# KiCad board mainboard.kicad_pcb (continued)
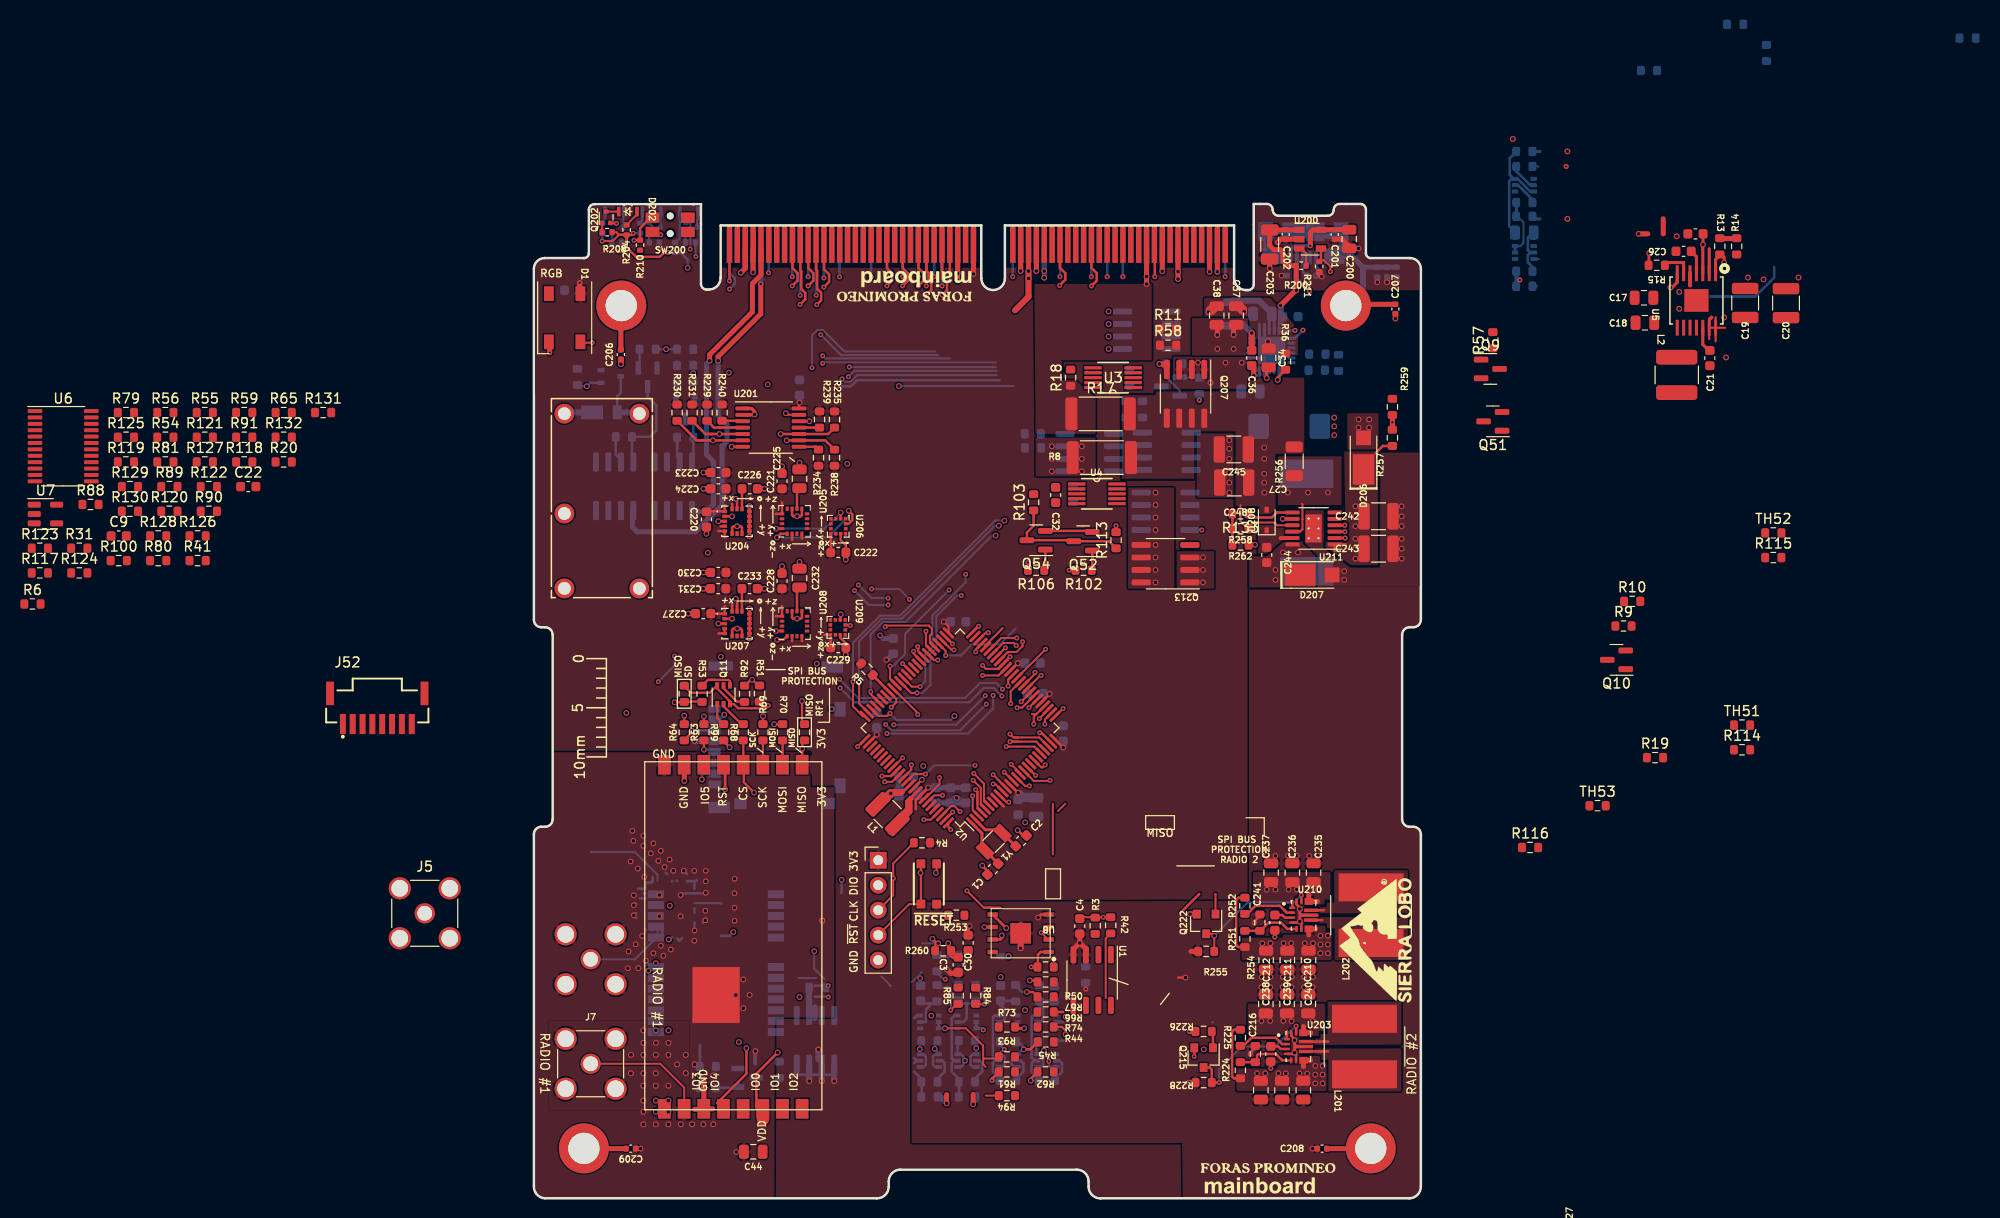
[diagram p0: board, top side]
## Routing (per net, layer and track width the routed paths; a pad name or vN(x,y) marks a point on that pad's centre or on a via; arc(x,y) is an arc through that point) (continued)
5V_USB: length 95.3
  Top w0.203: 7.8,98.27 R208.2 8.4,98.27 8.65,98.02 8.02,97.38 6.96,97.38 ; R204.1 9.92,97.99 10.1,98.17
  Top w0.235: v3(6.94,97.36) 6.96,97.38
  Top w0.254: R204.1 9.9,97.99 ; R204.1 9.42,96.74 10.39,95.77 12.8,95.77 13.25,96.22 v3(13.64,96.22) ; R204.1 9.4,98.02 8.65,98.02 ; R208.2 7.96,98.27 ; 9.42,96.96 9.42,97.18
  Top w0.272: 9.42,97.18 R204.1
  Top w0.508: 77.49,94.87 R200.1 ; R200.1 77.49,92.42 ; R200.1 76.6,94.87 76.16,95.31 76.16,96.21 75.85,96.51 75.21,96.51 74.8,96.92 C203.1 ; C203.1 74.81,98.51 U200.1 ; C203.1 74.8,97.6 ; 77.49,92.42 v1(77.49,92.37) 77.45,92.37 v1(75.9,90.82) 77.49,92.41 77.49,92.42 ; P1.70 v1(50.28,94.31)
  Top w0.61: v1(50.28,94.31) v1(50.28,93.57) 50.28,91.71 48.91,90.34
  In2.Cu w0.203: 30.84,84.47 30.79,84.42 30.79,82.61 v3(30.81,82.59)
  In2.Cu w0.254: 24.91,86.23 29.58,86.23 30.81,85 v3(30.81,82.59) ; 24.91,86.23 21.46,86.23 15.64,92.05 v1(15.64,94.65) ; 24.91,86.23 22.77,86.23
  Bottom w0.203: 13.92,96.22 14.37,96.22 R205.1 ; 13.92,96.22 13.72,96.22 ; 13.92,96.22 v3(13.64,96.22) ; R203.1 v3(10.1,98.17) 10.1,98.17
  Bottom w0.254: 6.96,97.38 R202.1 ; v1(15.64,94.65) 15.64,95.48 14.9,96.21 R205.1 ; 119.58,91.73 124.16,91.73 126.09,93.66 126.09,94.74 ; 47.32,83.22 32.84,83.22 32.2,82.59 v3(30.81,82.59)
  Bottom w0.279: 75.95,89.29 75.76,89.1 U17.23
  Bottom w0.61: 75.95,89.22 75.95,90.79
/Power/3V3_EN: length 2.7
  Top w0.279: 115.71,92.65 v1(115.55,92.65)
  Top w0.305: 115.71,92.65 116.24,93.18 U5.7
  Bottom w0.272: Q2.6 102.1,95.55 ; 101.91,92.77 101.48,92.77
GND: length 147.6
  Top w0.203: v3(12.89,98.02) 12.34,98.02 SW200.2 ; 39.21,42.33 U2.90 38.61,41.75 v1(39.45,42.58) ; v3(50.33,49.93) 51.2,50.8 U2.31 ; U2.76 33.64,46.68 v3(32.91,45.95) ; U2.62 38.25,53.63 v3(37.48,54.39) ; U2.11 47.99,41.73 ; U2.11 48.03,41.75 v3(46.69,43.09) ; U2.11 47.12,42.65 ; v3(48.21,52.11) 48.21,52.74 U2.38 ; U2.50 45.17,58.19 v3(45.22,58.19)
  Top w0.235: 65.48,22.45 v1(66.25,22.45) ; SW1.B 40.95,33.19
  Top w0.25: SW200.2 11.85,98.1
  Top w0.254: 8.33,99.19 8.3,99.22 Q202.2 ; 74.92,13.16 v3(74.92,13.22) C216.1 ; 21.91,67.23 v1(21.91,67.34) U204.9 U204.13 21.91,70.41 v1(21.92,70.41) ; 20.65,60.62 U207.15 20.65,60.87 v1(20.53,61) ; U208.9 27.24,59.08 27.13,58.97 v1(26.75,58.97) 26.37,58.97 26.24,59.09 U208.11 ; v1(77.87,29.44) v1(77.87,28.17) 78.02,28.01 U210.6 ; U210.4 77.75,28.05 ; 77.87,28.58 78.09,28.8 ; 78.09,28.8 77.87,29.03 ; 78.09,28.8 U210.10 ; 77.87,29.57 77.52,29.91 U210.15 ; C241.1 v3(75.33,26.58) ; 73.23,28.17 73.93,28.87 ; P1.67 49.48,94.43 ; v1(77.33,16.08) 77.33,15.66 77.55,15.44 ; v1(77.33,16.08) 77.33,16.21 76.99,16.55 U203.15 ; v1(77.33,16.08) v1(77.33,14.81) ; 31.71,66.08 31.71,66.45 31.19,66.97 U206.9 ; U209.9 31.15,57.03 31.71,56.46 31.71,55.97 ; v1(77.33,14.81) 77.33,15.22 77.55,15.44 ; v1(77.33,14.81) 77.49,14.65 U203.6 ; v1(77.33,14.81) 77.21,14.69 U203.4 ; v1(77.33,14.81) 77.33,15.06 ; 77.55,15.44 U203.10 ; v3(51.42,47.36) 51.59,47.36 U2.24 ; U207.8 21.15,57.81 21.01,57.95 v1(20.65,57.95) 20.29,57.95 20.15,57.81 U207.6 ; U204.15 20.65,71.03 v1(20.53,71.16) ; v1(21.92,60) 21.91,60 U207.9 v1(21.91,56.94) ; 56.12,21.28 v3(56.1,21.29) ; 73.52,15.51 72.82,14.81 v3(72.82,14.68) ; 27.24,70.15 27.24,69.5 27.13,69.38 v1(26.75,69.38) 26.37,69.38 26.24,69.5 26.24,70.15 ; U204.6 20.15,68.22 20.29,68.36 v1(20.65,68.36) 21.01,68.36 21.15,68.22 U204.8
  Top w0.272: v1(45.58,33.85) 46.1,33.33 46.1,32.93 ; v1(49.18,37.45) 49.7,36.92 50.09,36.92 ; U201.7 v1(20.1,76.45)
  Top w0.279: 44.15,26.78 44.15,27.55 v1(44.3,27.7) ; v1(51.26,28.56) 51.57,28.87 52.35,28.87 ; 20.4,28.24 v1(20.4,28.23)
  Top w0.338: R262.2 73.28,66.46 v1(73.31,66.48) ; U201.1 22.13,80.35 22.43,80.05 v1(22.43,79.73) 22.4,79.7 U201.2 22.02,79.7
  Top w0.406: 117.54,92.85 U5.5
  Top w0.508: C207.1 87.58,89.51 ; C227.2 v1(15.7,59.47) ; C232.2 v1(27,64.74) ; 31.7,65.68 31.7,64.96 ; D1.3 1.6,87.05 v3(1.6,86.02) ; v1(21.03,94.15) 21.48,94.6 P1.5 21.48,94.58 ; 8.84,84.87 C206.1 v1(8.84,84.85) ; R228.2 v1(66.59,11.77) ; C226.2 v1(23.45,72.17) ; 31.7,55.97 v1(31.7,55.28) ; v1(49.48,94.32) 49.48,94.33 P1.67 ; C221.2 v1(25.22,74.46) ; C4.1 v1(55.49,25.98) ; v1(55.49,25.98) 56.12,25.35 U1.3 ; v1(55.49,25.98) 54.85,25.33 ; P1.71 v1(51.08,94.32) ; 17.97,72.17 v1(17.24,72.17) ; C231.2 v1(17.22,62.01) ; C209.1 10.81,5.05 ; C228.2 v1(25.22,64.3) ; 17.97,63.67 v1(17.24,63.67) ; 66.82,25.12 R255.2 66.94,25.12 ; C225.2 v1(27,74.84) ; C233.2 v1(23.43,62.01) ; C208.1 79.17,5.05 ; v1(41.99,23.28) 42.37,22.9 43.21,22.9 43.27,22.96 ; P1.115 v1(68.68,94.25) ; C220.2 17.54,67.67 ; P1.103 v1(63.88,94.3) ; 17.97,73.83 v1(17.24,73.83)
  Top w0.61: 29.3,28.25 v1(29.31,28.26) ; 49.48,27.79 U8.9 v1(49.48,25.44)
  Bottom w0.203: 15.44,99.18 Q203.2 15.86,99.18 15.91,99.12 15.91,96.58 v3(15.89,96.56) ; Q201.2 12.26,98.64 12.26,98.23 12.47,98.02 v3(12.89,98.02)
  Bottom w0.235: 16.32,29.52 16.32,29.02
  Bottom w0.254: 8.33,99.19 8.32,99.18 Q200.2 ; 49.5,96.56 49.5,94.47 ; R7.2 56.09,21.31 v3(56.1,21.29) ; 68.98,17.89 69.02,17.94
  Bottom w0.272: 12.07,32.27 11.92,32.12 11.35,32.12 11.32,32.08 11.32,31.52 ; 12.07,32.27 12.07,32.68 ; 12.07,32.27 12.08,32.25 ; 16.32,28.02 16.31,28.01 16.31,27.17 16.2,27.27 ; 16.56,32.38 16.45,32.27 16.31,32.27 ; 14.57,32.27 14.53,32.31 ; 15.07,28.54 v1(14.91,28.69) ; 14.07,32.27 14.02,32.22 ; 13.57,32.96 13.39,33.14 ; 13.07,27.27 13.07,26.85 ; 16.31,32.27 15.57,32.27 15.58,32.26 ; 16.31,32.27 16.31,31.53 16.32,31.52 ; 11.32,27.33 11.35,27.3 ; 12.07,27.27 12,27.33 ; 15.07,31.02 17.41,31.02 v1(17.47,31.08) ; 14.07,33.22 13.97,33.31 ; 15.07,33.14 v1(15.24,33.31) 15.57,32.99 ; 17.16,28.02 v1(17.42,28.29) ; 10.37,30.02 v1(10.16,29.81) ; 11.32,30.52 10.77,30.52 ; 10.43,28.52 v1(10.16,28.79) 10.39,29.02 ; 12.58,28.52 v1(12.75,28.69) ; 11.32,31.02 11.18,31.02 ; 12.58,31.02 v1(12.75,30.85) ; 11.28,31.49 10.59,31.49
  Bottom w0.279: 31.22,31.1 31.29,31.17 v1(31.29,32.4)
  Bottom w0.406: 22.49,13.71 22.49,14.94 v1(22.53,14.98)
  Bottom w0.508: 68.68,94.88 P1.115 v1(68.68,94.25) ; 42.24,40.22 42.75,40.73 v1(42.98,40.73) 43.13,40.73 43.64,40.22 C253.2 ; v1(35.19,57.25) 35.5,56.95 36.53,56.95 36.53,56.93 ; v1(63.88,94.3) P1.103 ; P1.67 49.48,94.32 ; 21.48,94.86 P1.5 21.48,94.6 v1(21.03,94.15) ; P1.71 v1(51.08,94.32)
  vias: v1(9.4,49.36) v1(9.55,23.41) v1(9.62,25.11) v1(9.83,34.27) v1(10.01,37.38) v1(10.11,36.36) v1(10.16,30.83) v1(10.35,25.84) v1(10.56,33.54) v1(10.62,23.41) v1(10.84,5.05) v1(11.01,26.69) v1(11.13,36.87) v1(11.13,35.85) v1(11.22,32.7) v1(11.38,24.17) v1(11.89,35.09) v1(12.14,36.11) v1(12.14,24.93) v1(12.65,34.33) v1(12.91,35.34) v1(12.91,25.69) v1(13.16,24.68) v1(13.29,33.69) v1(13.79,34.46) v1(13.92,25.31) v1(14.18,33.31) v1(14.91,30.85) v1(16.31,33.31) v1(16.33,27.24) v1(16.31,26.2) v1(17.47,33.31) v1(17.47,32.25) v1(17.42,29.25) v1(17.54,67.6) v1(17.68,65.67) v1(19,55.09) v1(20.4,32.5) v1(20.4,31.03) v1(20.4,29.56) v1(20.58,4.71) v1(23.78,82.79) v1(28.76,54.39) v1(30.28,49.77) v1(31.7,64.96) v1(31.85,74.71) v1(39.58,43.98) v1(40.87,33.11) v1(49.94,38.24) v1(58.42,90.21) v1(58.42,88.94) v1(58.42,87.67) v1(58.42,86.4) v1(70.69,77.13) v1(70.69,76.24) v1(70.69,75.22) v1(70.69,73.83) v1(70.69,72.81) v1(70.69,71.79) v1(73.99,22.52) v1(73.96,21.48) v1(74.5,34.84) v1(74.88,22.52) v1(74.85,21.48) v1(75.39,34.84) v1(76.15,22.52) v1(76.12,21.48) v1(76.66,34.84) v1(77.04,22.52) v1(77.01,21.48) v1(77.55,34.84) v1(78.28,21.48) v1(78.31,22.52) v1(78.82,34.84) v1(79.2,22.52) v1(79.17,21.48) v1(79.15,5.05) v1(79.71,34.84) v1(81.36,79.41) v1(81.36,78.52) v1(81.36,77.64) v1(82.37,63.79) v1(82.37,62.9) v1(87.58,89.48) v1(88.22,70.4) v1(88.22,69.38) v1(88.22,68.36) v1(88.22,67.09) v1(88.22,66.08) v1(88.22,65.06) v1(99.52,107.76) v1(116.18,97.85) v1(116.44,92.2) v1(116.44,90.49) v1(123.42,93.66) v1(125.01,93.47) v1(128.56,93.66) v2(9.86,14.59) v2(9.86,12.72) v2(11.13,17.08) v2(11.13,15.81) v2(11.13,14.59) v2(11.13,12.72) v2(11.13,11.45) v2(11.13,9.94) v2(11.13,8.8) v2(11.13,7.53) v2(12.4,15.81) v2(12.4,14.59) v2(12.4,12.72) v2(12.4,11.45) v2(12.4,7.53) v2(13.67,15.81) v2(13.67,14.59) v2(13.67,11.45) v2(13.67,7.53) v2(14.56,13.63) v2(14.94,7.53) v2(15.45,14.59) v2(15.45,12.74) v2(16.08,7.53) v2(16.33,13.63) v2(17.22,7.53) v2(18.24,12.48) v2(18.24,7.53) v2(20.53,20.68) v2(21.29,22.26) v2(21.29,19.34) v2(21.92,20.68) v3(8.4,99.16) v3(73.23,28.04)
GNDREF: length 35.9
  Top w0.508: 71.65,90.43 71.9,90.18 ; 68.83,90.14 v1(68.57,90.14) 68.57,90.4 68.7,90.53 ; v1(80.09,93.76) 79.83,94.02 R211.2 ; 68.98,90.12 69.48,90.63 69.48,90.75 68.91,90.75 ; v3(75.62,97.24) 75.94,97.56 C202.2 76.43,97.56 U200.2 ; v1(83.84,96.62) 82.89,96.62 C200.2 ; v1(65.48,93.51) v1(65.48,94.27) P1.107 ; 68.7,90.53 68.7,90.14 69.01,90.14 ; 68.7,90.53 68.95,90.78 ; 68.7,90.53 68.7,90.46 ; 71.96,90.18 v1(72.21,90.18) 72.21,90.5 71.96,90.75 C37.1 71.39,90.75 ; 68.79,90.12 C38.1 ; C201.2 82.13,97.56 82.7,96.99 82.72,97 ; C203.2 74.8,94.7 ; 79.96,93.92 80.03,93.85 ; 113.24,98.11 112.4,98.11
  Top w0.61: 74.63,86.27 v2(74.63,87.16)
  In2.Cu w0.203: v1(65.48,94.27) 65.1,94.27 63.45,92.62 ; 63.45,92.62 61.07,90.24 60.59,90.24 ; 63.45,92.62 63.2,92.37
  Bottom w0.272: U17.19 73.76,88.38 73.74,88.4
  Bottom w0.279: 73.48,89.98 73.48,89.47
  Bottom w0.3: 73.76,88.91 73.76,87.53 ; 74.26,88.91 74.26,87.53
  Bottom w0.338: 80.03,93.85 80.03,94.21 79.51,94.73 J200.5
  Bottom w0.508: P1.107 v1(65.48,94.27) v1(65.48,93.51) ; v1(80.09,93.76) 80,93.85 Z200.2 80.03,93.85 ; Z201.2 76.02,93.85 ; C205.2 v1(87.72,93.19) ; R201.2 v1(85.74,93.2) ; C204.2 v1(86.73,93.19)
  vias: v1(74.82,94.59) v1(76,93.85) v1(112.31,98.11)
VBATT: length 57
  Top w0.508: 62.28,94.44 P1.99 62.28,93.56 62.28,93.56 ; v1(62.28,93) v1(62.28,93.76)
  In2.Cu w0.203: v3(8.71,96.37) 9.37,96.37 20.41,85.33 28.96,85.33 v3(29.35,84.94)
  Bottom w0.203: 40.97,22.92 41.6,22.29 v3(41.83,22.29) ; 39.45,23.03 38.43,22.01 ; 8.94,96.58 R206.2 8.94,96.6 v3(8.71,96.37) ; 46.98,85.04 29.46,85.04 v3(29.35,84.94)
  Bottom w0.508: 62.28,94.32 62.28,94.32 ; 62.28,94.32 62.28,93.56 ; 62.28,94.32 62.28,94.32 ; 62.28,94.32 P1.99 ; 62.28,94.32 62.28,94.22 ; v1(62.28,93) v1(62.28,93.76)
  vias: v1(39.26,22.39)
VBATT_RET: length 0.1
  Bottom w0.254: 117.88,91.78 117.93,91.73
VBUS: length 93.9
  Top w0.203: U5.14 121.11,88.56 ; U5.14 120.14,87.18 ; U5.14 U5.13 ; U5.14 120.14,89.61 ; 119.81,89.6 119.49,89.27 U5.13 ; U5.13 119.49,89.47 119.71,89.7 ; U5.13 119.49,87.39
  Top w0.254: U203.1 76.56,16.98 ; U210.1 77.1,30.21 ; Q215.2 v3(67.13,14.44)
  Top w0.508: 78.24,17.49 U203.12 78.98,16.84 ; 79.64,30.2 U210.12 78.77,30.88 ; Q222.2 v1(66.71,28.91)
  In2.Cu w0.61: v1(19.83,83.99) 17.99,83.99 14.63,87.35 9.02,87.35 ; 9.02,87.35 3.1,81.44 ; 9.02,87.35 8.48,86.82 ; 8.48,86.82 8.83,87.16 ; 8.48,86.82 3.1,81.44 ; 3.1,81.44 U16.1 1.64,78.36 1.64,63.5 U16.14
  In4.Cu w0.61: v1(19.83,83.99) 21.91,81.9 40.52,81.9
  Bottom w0.272: 99.9,94.3 99.9,92.77
  Bottom w0.305: 101.48,106.49 102.28,106.49 ; v3(100.22,93.42) 100.06,93.26 99.9,93.26 ; v3(100.22,93.42) 100.22,93.43 99.9,93.75 ; v3(100.22,93.42) 100.06,93.42 99.9,93.57 ; 101.48,99.63 102.28,99.63 ; R29.1 R47.1
  Bottom w0.61: U16.1 3.23,79.95 D4.C
  vias: v1(63.2,71.79) v1(63.2,70.52) v1(63.2,69.25) v1(63.2,67.98) v1(63.2,66.46) v1(63.2,65.19) v1(63.2,63.92) v1(63.2,62.65) v1(73.96,18.05) v1(74.5,31.41) v1(74.85,18.05) v1(75.39,31.41) v1(76.19,18.05) v1(76.72,31.41) v1(77.02,18.02) v1(77.55,31.41) v1(79.17,18.05) v1(79.71,31.41) v1(105.07,106.49) v1(105.07,99.63) v1(121.01,89.6) v1(121.2,85.53)
VBUS_INHIBIT: length 4.8
  Top w0.254: Q52.2 56.67,67.89 Q54.2
  vias: v1(52.66,76.49) v1(52.66,75.22) v1(52.66,73.95) v1(55.7,76.49) v1(55.7,75.22) v1(55.7,73.95)
VBUS_RESET: length 10.4
  Top w0.203: U2.54 41.86,55.68 v3(41.86,55.22)
  Bottom w0.203: 48.97,57.95 47.35,56.33 44.5,56.33 43.39,55.22 v3(41.86,55.22) ; R52.2 102.15,104.97
  vias: v3(104.94,104.97)
VBUS_USB: length 3
  Top w0.508: v1(71.14,87.83) 71.14,88.62 71.07,88.68 ; 69.48,88.63 69.48,87.83 v1(69.47,87.82)
  Bottom w0.279: U17.16 72.73,86.5
  Bottom w0.3: U17.16 72.47,86.5 ; U17.15 72.47,86
  vias: v1(68.02,65.19) v1(68.02,63.92) v1(68.02,62.65) v1(69.48,86.4) v1(71.14,86.4)
VCC_MHX: length 13.6
  Top w0.254: 72.12,17.16 71.17,17.16 70.98,16.97 70.98,12.39 71.17,12.2 72.12,12.2
  Top w0.508: 78.24,13.39 U203.7 78.95,14.04
  Bottom w0.508: 51.88,93.75 v1(51.88,94.32) 51.88,94.64 ; 51.88,94.64 P1.73 51.88,94.41 ; 51.88,94.64 51.88,94.43
  vias: v1(51.88,93.64) v1(73.52,12.71) v1(74.34,12.71) v1(75.68,12.71) v1(76.44,12.71) v1(77.84,12.71) v1(78.61,12.69) v1(79.42,13.47) v1(79.42,12.59) v1(79.42,11.7) v1(80.19,13.47) v1(80.19,12.59) v1(80.19,11.7)
VCC_PAYLOAD: length 14.7
  Top w0.254: 72.53,25.57 71.58,25.57 71.39,25.76 71.39,30.33 71.64,30.58 72.53,30.58
  Top w0.508: 78.77,26.79 U210.7 79.46,27.4 ; v1(43.07,93.38) v1(43.07,94.08) 43.08,94.1 P1.59
  Bottom w0.508: P1.59 43.07,96.55 v1(43.07,93.38)
  vias: v1(74.06,25.95) v1(74.88,25.95) v1(76.22,25.95) v1(76.98,25.95) v1(78.37,25.95) v1(79.2,25.95) v1(79.96,26.71) v1(79.96,25.82) v1(79.96,24.93) v1(80.72,26.71) v1(80.72,25.82) v1(80.72,24.93)
/Avionics/BATTERY: length 20.2
  Top w0.203: v3(51.98,44.09) 51.73,43.84 51.58,43.84 U2.19
  Top w0.254: C3.1 42.52,24.52 42.12,24.93 42.12,26.07
  In2.Cu w0.203: 60.28,36.23 57.04,39.47 ; 57.04,39.47 56.78,39.73 ; 57.04,39.47 52.42,44.09 v3(51.98,44.09)
  Bottom w0.254: 42.12,25.44 42.12,26.07 ; 42.12,25.44 42.12,24.87 ; 42.12,25.44 42.12,24.59 42.14,24.57 ; 42.14,24.57 40.98,24.57 40.97,24.57 ; 42.14,24.57 43.13,24.57
  Bottom w0.279: 40.97,24.55 41.14,24.72
  vias: v1(42.12,25.95)
/Avionics/XTAL1: length 5.8
  Top w0.254: 45.55,35.71 Y1.1
  Top w0.3: 47.21,34.05 45.87,35.39 Y1.1 45.55,35.71 45.55,37.13 44.44,38.24
/Avionics/XTAL2: length 5.3
  Top w0.3: 48.97,35.81 47.63,37.15 Y1.2 47.3,37.49 45.89,37.49 44.79,38.59
/Burn Wires/VBURN_A_IN: length 7.2
  Bottom w0.254: 8.32,76.28 R37.2 8.32,75.64 8.77,75.2 ; 14.96,75.1 14.56,75.5 R38.2 14.56,76.26
/IMU/SCL_IMU1: length 38.1
  Top w0.254: v1(18.21,77.1) 16.94,77.1 ; v1(18.21,77.1) 16.56,77.1 R230.2 ; v1(18.21,77.1) U201.6 ; 19.39,69.37 v1(20.14,69.37) ; v1(24.72,67.22) 25.09,67.6 U205.1 ; U206.12 32,68.61 32.36,68.98 32.36,69.58 v1(32.01,69.94)
  In2.Cu w0.203: v1(24.72,67.22) 22.57,69.37 v1(20.14,69.37) 18.94,68.17 18.37,68.17 18.21,68.33 v1(18.21,77.1)
  Bottom w0.203: v1(32.01,69.94) 32.01,69.37 29.86,67.22 v1(24.72,67.22)
/IMU/SCL_IMU2: length 58.3
  Top w0.254: v1(24.72,56.81) 25.37,56.81 U208.1 ; 31.7,58.33 32.11,58.33 v3(32.17,58.27) ; v1(20.14,58.96) 19.39,58.96 ; v1(25.08,77.75) U201.10 26.95,77.74 29.9,77.74 R235.2
  In2.Cu w0.203: v3(32.17,58.27) 30.71,56.81 v1(24.72,56.81) 22.57,58.96 v1(20.14,58.96) 18.11,56.93 16.08,56.93 14.94,58.08 14.94,76.24 17.86,79.16 20.53,79.16 21.94,77.75 v1(25.08,77.75)
/IMU/SDA_IMU1: length 31.2
  Top w0.254: 18.13,77.75 17.68,77.75 ; 18.13,77.75 v1(18.86,77.75) U201.5 ; 18.13,77.75 17.43,77.75 R231.2 ; 19.39,68.87 v1(18.75,68.87) ; U205.16 v1(24.6,68.12) ; U206.2 v1(31.19,69.76)
  In2.Cu w0.203: v1(24.6,68.12) 22.83,69.89 19.77,69.89 v1(18.75,68.87) 18.75,77.64 v1(18.86,77.75)
  Bottom w0.203: v1(24.6,68.12) 29.55,68.12 v1(31.19,69.76)
/IMU/SDA_IMU2: length 54.2
  Top w0.254: R238.2 29.62,77.1 U201.9 v1(25.7,77.1) ; v1(24.6,57.71) U208.16 ; 31.19,58.84 31.19,59.34 ; v1(18.75,58.46) 19.39,58.46
  In2.Cu w0.203: v1(24.6,57.71) 23.02,59.29 ; v1(24.6,57.71) 29.49,57.71 v1(31.19,59.41) ; v1(24.6,57.71) 22.83,59.48 19.77,59.48 v1(18.75,58.46) 17.48,58.46 16.46,59.47 16.46,76.75 18.37,78.65 20.02,78.65 21.57,77.1 v1(25.7,77.1)
/RF and GPS/RF_IN: length 2.7
  Bottom w0.203: 16.32,30.02 19.01,30.02
  Bottom w0.293: 19.01,30.02 19.02,30
  vias: v1(13.82,29.77)
/SLI_Card/Blank-Card-Default/YEL_LED: length 0.8
  In2.Cu w0.203: v3(12.75,96.53) 12.75,96.39
  Bottom w0.203: v3(12.75,96.53) R207.2
/SLI_Card/Blank-Card-Default/~{USB_EN}: length 3
  Top w0.203: 79.96,95.42 80.34,95.42 80.98,94.78 v3(80.98,94.27)
  Top w0.254: U200.4 80.02,95.47 79.96,95.42
/SLI_Card/CHS: length 51.3
  Top w0.508: H202.1 85.05,5.05 C208.2 ; C206.2 8.84,90.77 H200.1 8.85,90.84 ; C207.2 82.67,90.94 H201.1 ; H203.1 5.11,5.05 C209.2
  Bottom w0.508: J200.6 82.06,97.9 82.42,97.54 82.42,96.89 J200.6 ; J200.6 J200.6 ; J200.6 82.06,96.53 J200.6 ; J200.6 83.18,95.83 84.29,94.72 R201.1 87.71,94.72 C205.1 ; J200.6 81.46,95.73 ; 77.66,97.92 78.68,97.92 ; 78.68,98.81 77.79,98.81 ; J200.6 74.41,96.53 J200.6 75.11,96.47 ; J200.6 74.58,98.33 75.06,97.85 ; 80.33,97.85 81.34,97.85 ; J200.6 76.49,98.33
  Bottom w0.61: 84.29,94.72 84.29,92.56 H201.1
/SLI_Card/H1-38: length 0
  Top w0.254: 55.09,96.56 P1.82
/SLI_Card/H1-42: length 0
  Top w0.254: 58.3,96.55 P1.90
/SLI_Card/Payload_Regulator/EN: length 14.1
  Top w0.203: R255.1 v1(69.17,26.71) 68.96,26.91 Q222.3 ; U210.14 v3(78.02,30.84)
  Bottom w0.203: v1(69.17,26.71) 72.55,30.09 76.62,30.09 ; 76.62,30.09 77.06,30.09 ; 76.62,30.09 77.28,30.09 v3(78.02,30.84)
/SLI_Card/RBF: length 30.6
  Top w0.254: R102.2 v3(54.41,63.89)
  In2.Cu w0.203: v1(37.1,82.63) 37.1,87.23 34.28,90.05 v3(34.28,93.75) 34.28,91.19
  Bottom w0.203: v1(37.1,82.63) 48.79,82.63
  Bottom w0.254: v3(34.28,93.75) 34.28,96.55
  Bottom w0.508: R105.2 v3(67.64,81.19)
/SLI_Card/RF_Regulator/EN: length 14.9
  Top w0.254: 69.8,11.77 v3(69.67,11.77) R228.1 68.91,13.11 68.7,13.31 Q215.3 ; 77.49,17.57 U203.14
  Bottom w0.203: v3(77.49,17.51) 77.41,17.51 75.34,15.45 71.98,15.45 69.67,13.14 v3(69.67,11.77)
/SLI_Card/SEP1: length 37.3
  In2.Cu w0.203: v3(31.98,83.58) 31.57,83.99 31.57,85.26 29.8,87.03 23.7,87.03 19.89,90.84 v3(19.89,92.49)
  Bottom w0.203: 47.05,84.18 32.58,84.18 v3(31.98,83.58)
  Bottom w0.254: v3(19.89,92.49) 20.42,93.02 20.42,93.58 19.88,94.12 P1.1
/SLI_Card/SEP2: length 35.6
  Top w0.254: P1.2 v3(19.88,93.33)
  In2.Cu w0.203: v3(32.06,84.56) 32.06,85.49 30.19,87.36 23.88,87.36 20.59,90.65 20.59,92.62 v3(19.88,93.33)
  Bottom w0.203: 46.95,84.54 32.44,84.54 32.42,84.56 v3(32.06,84.56)
/SLI_Card/SEP3: length 5.7
  Bottom w0.254: v3(70.27,93.75) 70.27,96.55 ; 70.28,94.5 70.28,94.25 ; 70.28,94.5 70.28,93.87 ; 70.28,94.5 P1.119
/SLI_Card/SEP4: length 0.8
  Top w0.254: R106.2 v3(50.23,64.67)
/SLI_Card/~{USB_FLAG}: length 2.2
  Top w0.203: R200.2 78.51,94.84
  Top w0.254: R200.2 78.51,96.11 78.01,96.61 U200.3
AIN4: length 68.2
  Top w0.203: v3(44.66,42.52) 45.43,41.74 45.43,40.09 U2.5
  In2.Cu w0.203: v3(44.66,42.52) 43,44.17 43,47.07 39.62,50.46 38.62,50.46 34.95,54.13 34.95,56.11 36.2,57.35 36.2,58.93 35.16,59.97 35.16,80.28 34.95,80.48 ; v3(28.69,91.86) 28.27,91.44 28.27,90.68 28.64,90.31 31.5,90.31 34.95,86.85 34.95,80.48 ; 35.14,80.29 34.95,80.48
  Bottom w0.254: 28.7,94.47 28.7,91.85 ; 28.7,94.47 28.7,96.56 ; 28.7,94.47 28.7,94.67
AIN10: length 69.4
  Top w0.203: U2.3 44.6,39.5 v3(44.6,40.93)
  In2.Cu w0.203: 35.26,52.81 33.71,54.36 33.71,61.15 33.48,61.38 33.48,86.02 30.51,88.99 27.14,88.99 26.56,89.57 26.56,90.34 ; 35.26,52.81 34.88,53.19 ; 35.26,52.81 38.37,49.7 39.45,49.7 41.55,47.59 41.55,43.99 v3(44.6,40.93) ; 26.56,90.34 26.56,89.85 ; 26.56,90.34 26.56,91.35 v3(27.07,91.86)
  Bottom w0.254: 27.08,94.47 27.08,91.85 ; 27.08,94.47 27.08,94.67 ; 27.08,94.47 P1.19
AIN11: length 69.2
  Top w0.203: U2.4 45.09,39.72 45.09,40.09 ; 45.09,40.09 45.09,41.33 ; 45.09,40.09 45.09,41.39 v3(44.91,41.57) ; 27.08,90.88 v3(27.05,90.91)
  Top w0.254: v3(27.05,90.91) 27.59,91.45 27.59,92.1 27.18,92.51 27.18,94.31 27.08,94.41 P1.20
  In2.Cu w0.203: v3(27.05,90.91) 27.05,89.76 27.49,89.32 30.75,89.32 33.86,86.21 33.86,62.24 33.85,62.22 33.85,61.48 34.04,61.29 34.04,54.53 38.48,50.09 39.52,50.09 42.18,47.43 42.18,44.23 44.85,41.57 v3(44.91,41.57)
BATT_NTC: length 27.4
  Top w0.272: 76.07,69.11 v1(76.13,69.11) U211.8
  In2.Cu w0.203: v3(29.16,87.85) 25.17,87.85 23.85,89.17 v3(23.85,94.15)
  Bottom w0.203: v3(29.16,87.85) 31.24,85.76 41.13,85.76
  Bottom w0.254: v3(23.85,94.15) 23.85,96.55
  Bottom w0.508: P1.11 23.88,96.25 23.89,96.24
BP_LED_LATCH: length 61.4
  Top w0.203: v3(52.02,55.85) 49.09,52.93 U2.37
  Top w0.254: v3(63.12,93.75) 63.12,96.55
  In2.Cu w0.203: 46.12,85.45 46.12,66.59 51.65,61.05 51.65,56.22 v3(52.02,55.85) ; 46.12,85.45 46.12,86.84 50.24,90.97 58.05,90.97 61.48,94.4 62.47,94.4 v3(63.12,93.75) ; 46.12,85.45 46.12,86.02
BURN_RELAY_A: length 84.8
  Top w0.203: U2.84 36.52,43.85 v3(37.48,44.81)
  In2.Cu w0.203: v3(37.48,44.81) 37.48,43.49 36.11,42.12 ; 8.89,82.6 v1(5.37,82.6) 11.37,82.6 12.14,81.83 12.14,42.46 13.6,41 17.54,41 18.87,42.33 19.51,42.33 21.99,39.85 33.84,39.85 36.11,42.12 ; 36.11,42.12 36.46,42.47
  Bottom w0.254: R25.1 4.55,82.6 v1(5.37,82.6) 5.73,82.95 Q6.1
CTS_MCU_3: length 52.6
  Top w0.203: v3(49.09,57) 47.52,57 U2.45
  Top w0.254: P1.78 53.48,94.64 54.02,94.11 54.02,93.43 v3(53.44,92.86)
  In2.Cu w0.203: 47.32,91.03 48.91,92.62 53.2,92.62 v3(53.44,92.86) ; 47.32,91.03 43.83,87.54 43.83,66.27 48.4,61.7 48.4,60.43 49.09,59.74 v3(49.09,57) ; 47.32,91.03 46.94,90.65
CTS_MCU_4: length 47.4
  Top w0.203: U2.59 38.5,55.51
  In2.Cu w0.203: 38.5,56.93 38.5,55.74 v3(38.6,55.64) ; 38.5,56.93 38.5,56.95 37.52,57.93 37.52,60.22 36.6,61.14 ; 38.5,56.93 38.5,56.81 ; 36.6,61.14 36.38,61.36 36.38,80.45 35.68,81.15 35.68,87.25 30.9,92.03 29.24,92.03 29,92.27 29,93.14 v3(29.48,93.62) ; 36.6,61.14 36.5,61.24
  Bottom w0.254: 29.48,96.56 P1.25 ; v3(29.48,93.62) 29.48,96.42
EN_PAYLOAD: length 31.2
  Top w0.203: v3(39.02,49.21) 39.02,49.36 36.52,51.86 U2.67 ; v3(44.02,31.28) 45.74,29.57 46.5,29.57
  Top w0.254: 47.45,29.57 45.8,29.57 ; 65.74,29.06 67.64,30.96
  In2.Cu w0.203: v3(44.02,31.28) 44.02,40.97 41.06,43.94 41.06,47.18 v3(39.02,49.21)
EN_RF: length 14.3
  Top w0.203: U2.17 50.18,43.85 v3(51.01,43.03)
  Top w0.508: v3(66.64,16.98) R226.2
  In2.Cu w0.203: 59.39,34.52 58.5,34.52 51.01,42.01 v3(51.01,43.03)
ENAB_BURN1: length 75.6
  Top w0.203: v3(35.38,42.94) 36.29,42.94 U2.85
  In2.Cu w0.203: 13.44,54.11 13.44,54.11 13.44,55.38 ; 13.44,55.38 13.44,42.75 14.43,41.76 17.07,41.76 18.43,43.12 19.81,43.12 21.13,41.79 ; 13.44,55.38 v1(13.44,86.37) ; 21.54,41.38 22.18,40.74 33.18,40.74 v3(35.38,42.94) ; 21.54,41.38 21.13,41.79 ; 21.54,41.38 20.42,42.5 ; 21.13,41.79 20.78,42.14
  Bottom w0.254: R32.2 v1(13.44,86.37) R27.1
ENAB_BURN2: length 73.9
  Top w0.203: v3(35.66,42.37) 36.43,42.37 U2.86
  In2.Cu w0.203: v1(16.19,83.92) 14.3,82.03 v3(14.3,55.16) ; v3(35.66,42.37) 33.55,40.26 22.19,40.26 20.68,41.78 ; v3(12.65,52.55) 12.65,42.65 13.92,41.38 17.2,41.38 18.61,42.79 19.67,42.79 20.68,41.78 ; 20.68,41.78 20.29,42.17 ; 18.08,42.17 17.29,41.38
  Bottom w0.203: v3(14.3,55.16) 14.3,54.2 v3(12.65,52.55)
  Bottom w0.254: R28.1 v1(16.19,83.92) 16.19,83.12 R33.2
ENAB_GPS: length 44.8
  Top w0.203: v3(43.32,39.34) 42.75,39.92 42.43,39.92 41.44,38.92 U2.98
  In2.Cu w0.203: 28.19,16.06 23.8,16.06 23.51,15.77 ; 28.19,16.06 29.31,16.06 33.99,20.74 37.35,20.74 43.32,26.71 v3(43.32,39.34) ; 28.19,16.06 29.12,16.06
  Bottom w0.272: 16.88,11.3 16.88,15.6
  vias: v1(20.84,15.9)
FLASH_CS: length 17.3
  Top w0.203: U2.33 50.51,51.48 v3(49.55,50.52)
  Top w0.254: U8.1 51.51,25.06 ; R50.1 v3(50.56,23.53)
  Top w0.272: 51.51,25.06 51.23,24.78 51.23,23.79
  In2.Cu w0.203: 60.09,45.38 58.94,45.38 53.86,50.46 52.53,50.46 51.99,51 50.02,51 v3(49.55,50.52)
FLASH_IO2: length 12.6
  Top w0.203: U8.3 52.33,27.03 v3(52.34,27.03) ; U2.28 52.28,49.7 v3(51.39,48.81)
  Top w0.272: 52.72,27.6 U8.3
  In2.Cu w0.203: 58.31,41.88 58.31,42.14 52.79,47.66 51.83,47.66 51.39,48.11 v3(51.39,48.81)
FLASH_IO3: length 26.9
  Top w0.203: U2.29 51.14,49.31 ; 51.14,49.31 51.08,49.25 50.62,49.25 ; 51.14,49.31 50.82,48.98 v3(50.82,48.23)
  Top w0.272: U8.7 47.43,26.33 47.58,26.48 v1(47.58,26.74)
  In2.Cu w0.203: v3(50.82,48.23) 50.82,49.06 51.26,49.5 52.28,49.5 61.41,40.37 64.65,40.37 65.42,41.15 65.42,41.69 64.95,42.17 63.07,42.17
FLASH_MISO: length 15.3
  Top w0.203: U8.2 52.28,26.33 v3(51.58,27.03) ; U2.27 51.94,48.7 v3(51.94,48.23)
  Top w0.279: 52.03,26.33 U8.2
  In2.Cu w0.203: v3(51.94,48.23) 52.72,48.23 59.07,41.88 57.1,43.85
FLASH_MOSI: length 15.4
  Top w0.203: U2.26 53.01,49.03 v3(53.8,49.82)
  Top w0.272: U8.5 48,27.5 v1(48.01,27.5)
  In2.Cu w0.203: 62.64,41.41 62.21,41.41 v3(53.8,49.82)
FLASH_SCK: length 23.5
  Top w0.203: v3(49.12,49.91) 49.62,49.91 U2.32 ; U8.6 v1(45.8,27.6)
  In2.Cu w0.203: v3(49.12,49.91) 49.63,49.91 50.39,50.67 51.75,50.67 61.71,40.7 64.24,40.7 64.85,41.31
  vias: v1(49.93,19.15)
GPS_PWR_IN: length 5.7
  Bottom w0.235: 27.05,20.53 v1(27,20.49)
  Bottom w0.254: v3(29.92,20.49) 29.88,20.53 28.56,20.53
  Bottom w0.61: 28.56,18.33 28.56,19.43 ; 27.99,21.58 27.99,18.38
MISO: length 110.9
  Top w0.203: v3(46.19,57.54) 45.94,57.54 U2.48
  Top w0.235: 27.26,48.2 27.26,50.58 v1(27.26,50.58) ; 15.28,52.11 15.96,51.43 17.89,51.43 Q11.6 18.63,51.85 19.93,50.55 Q11.3 20.34,50.27 20.76,49.85 22.1,49.85
  Top w0.254: 39.1,96.56 39.1,94.62 39.61,94.11 39.61,93.34 v3(39.08,92.81) ; 22.1,49.85 23.54,49.85 v3(23.83,50.14)
  In2.Cu w0.203: v3(39.08,92.81) 39.19,92.7 ; v3(39.08,92.81) 39.16,92.74 ; v3(39.08,92.81) 39.08,92.19 ; v3(39.08,92.81) 39.12,92.77 ; 61.55,38.2 59.41,38.2 51.85,45.76 51.26,45.76 50.75,46.27 ; 50.94,46.08 50.75,46.27 ; 50.75,46.27 v3(45.89,51.13) 46.56,51.8 46.56,57.17 v3(46.19,57.54) 45.09,57.54 39.7,62.93 39.7,88.94 39.08,89.56 39.08,92.19 ; 39.08,92.19 39.08,91.64 ; v3(36.59,48.17) 34.18,50.58 31.83,50.58 ; v3(23.83,50.14) 24.27,50.58 v1(27.26,50.58) ; 31.96,50.58 31.83,50.58 ; 31.83,50.58 v1(27.26,50.58) ; 27.22,50.54 v1(27.26,50.58)